# KiCad board rosco_m68k.kicad_pcb (continued)
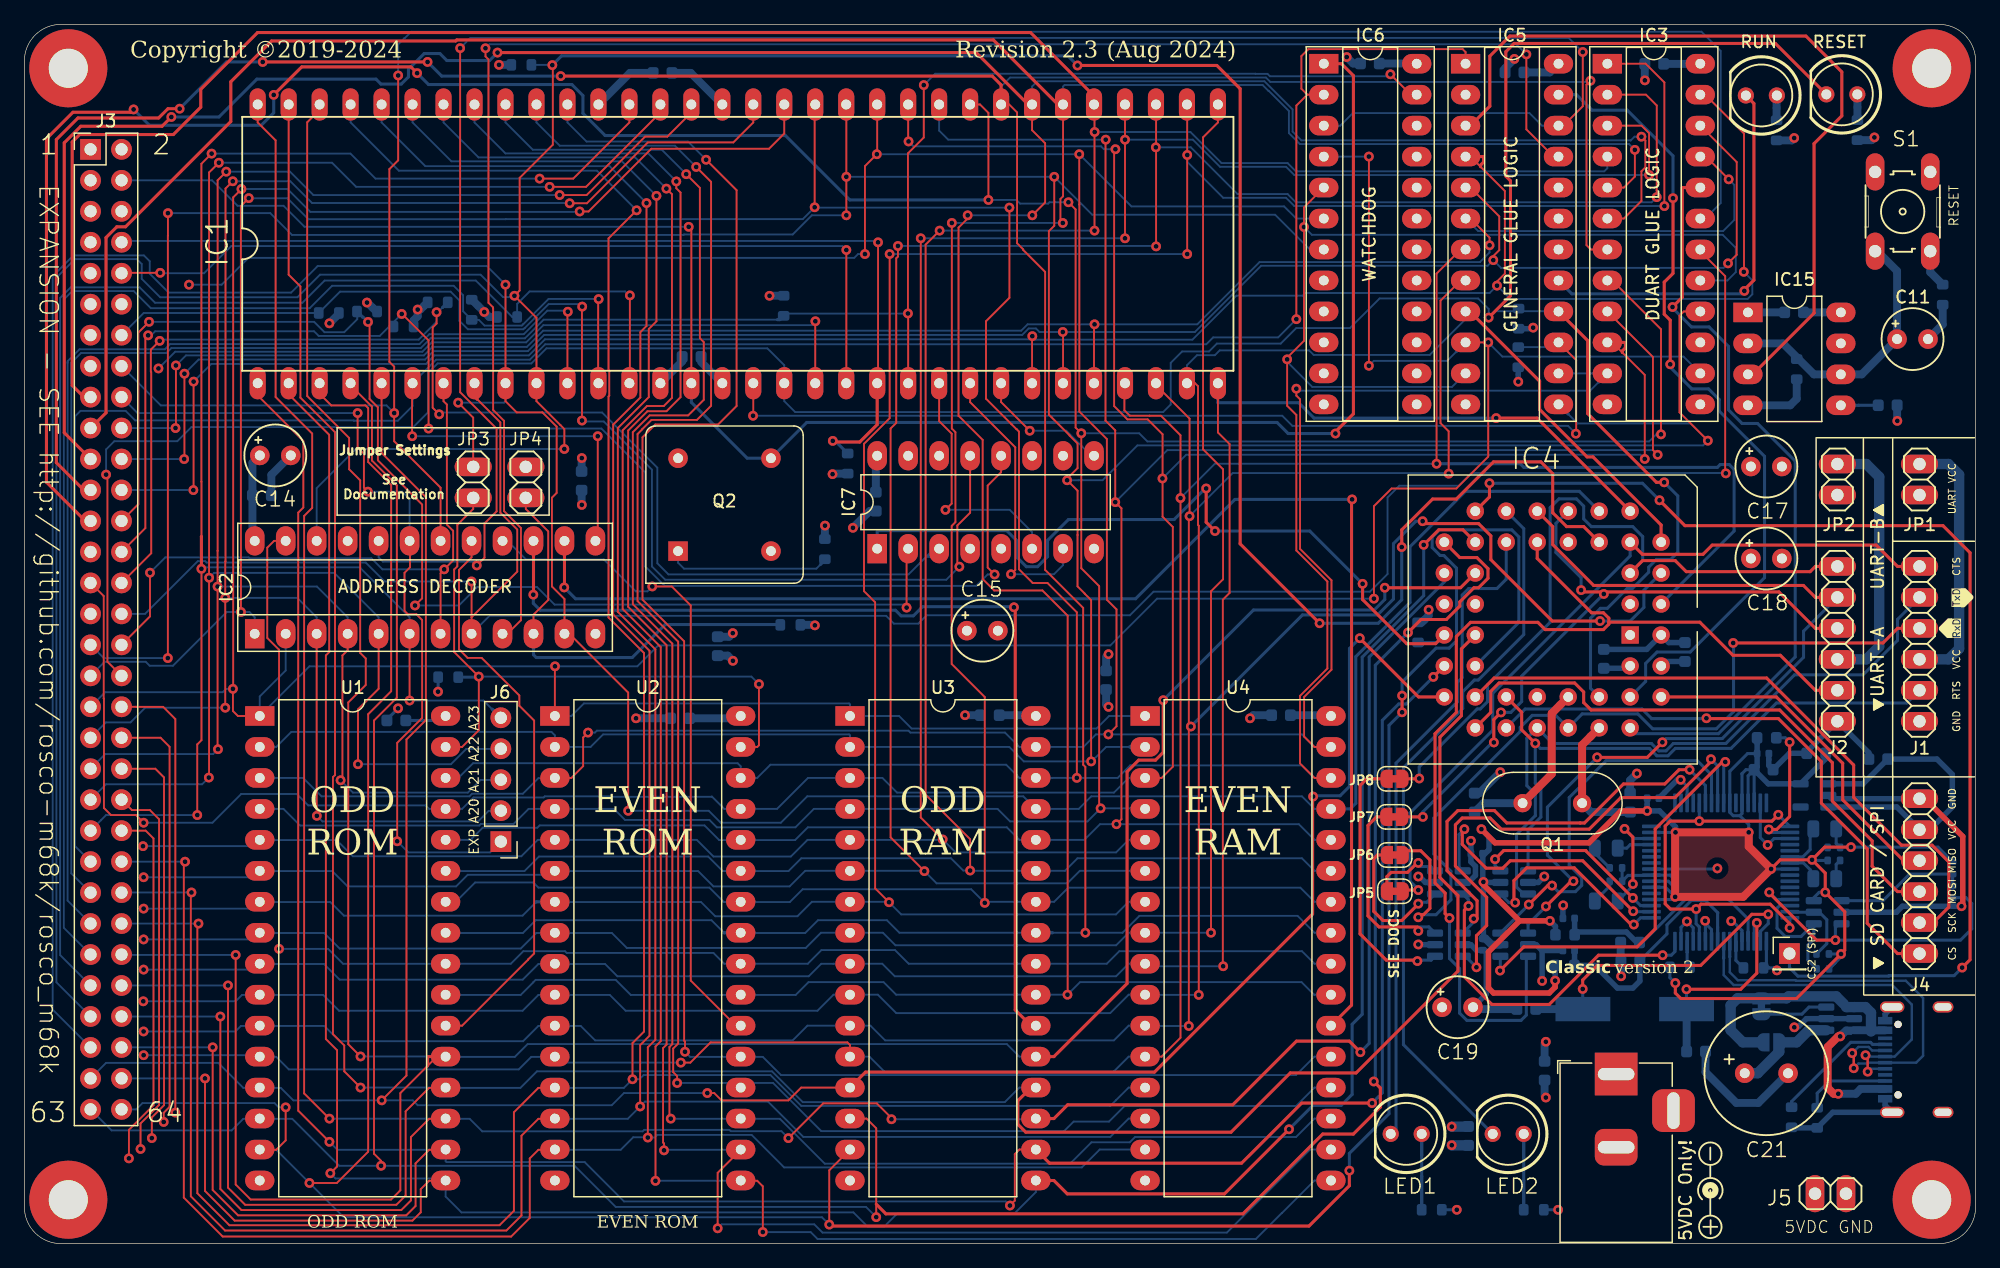
[diagram p0: board, top side]
## Routing (per net, layer and track width the routed paths; a pad name or vN(x,y) marks a point on that pad's centre or on a via; arc(x,y) is an arc through that point) (continued)
FC0: length 157.7
  Top w0.152: v1(120.14,81.88) 120.14,82.51 118.58,84.08 ; v1(12.39,66.89) 12.42,66.92 v1(12.42,72.02) ; 137.89,89.16 v1(139.75,87.29) ; IC1.28 87.71,75.36 v1(87.75,75.4)
  Bottom w0.152: 7.96,66.89 12.39,66.89 v1(12.39,66.89) ; v1(120.14,81.88) 120.14,81.29 119.36,80.51 119.36,80.51 101.28,80.51 96.18,75.4 v1(87.75,75.4) 82.26,75.4 81.74,74.88 42.53,74.88 41.2,73.55 33.46,73.55 32.76,72.85 13.25,72.85 v1(12.42,72.02) ; 118.69,83.56 119.2,83.05 139.3,83.05 140.21,83.96 140.21,86.84 v1(139.75,87.29)
FC1: length 167.4
  Top w0.152: v1(120.45,80.66) 120.45,81 120.94,81.49 120.94,84.25 118.58,86.62 ; v1(139.7,80.4) 140.41,81.11 140.41,88.71 IC3.22 ; v1(85.15,74.77) 85.17,74.75 IC1.27 ; v1(13.12,71.35) 13.12,64.38 v1(13.1,64.35)
  Bottom w0.152: v1(13.12,71.35) 14.28,72.51 32.85,72.51 33.54,73.2 41.29,73.2 42.62,74.53 81.82,74.53 82.35,75.06 82.95,75.06 83.24,74.77 v1(85.15,74.77) 95.98,74.77 101.41,80.2 119.99,80.2 v1(120.45,80.66) 121.08,80.03 139.33,80.03 v1(139.7,80.4) ; 7.96,64.35 v1(13.1,64.35)
FC2: length 183
  Top w0.152: v1(13.88,70.7) 13.88,61.82 v1(13.85,61.8) ; 118.58,89.16 119.41,88.32 121.4,86.33 121.4,79.55 120.75,78.91 v1(120.75,78.57) ; v1(140.99,79.7) 141.01,79.72 141.01,91.05 137.82,94.24 ; v1(82.65,74.43) 82.63,74.41 IC1.26
  Top w0.25: IC5.4 119.66,89.16 119.66,88.71 119.41,88.46 119.41,88.32
  Bottom w0.152: 7.96,61.81 13.85,61.81 v1(13.85,61.8) ; v1(13.88,70.7) 15.32,72.15 32.93,72.15 33.63,72.85 41.37,72.85 42.69,74.17 82.39,74.17 v1(82.65,74.43) 82.94,74.14 95.78,74.14 99.39,77.75 104.83,77.75 105.05,77.97 120.15,77.97 v1(120.75,78.57) 121.84,77.48 141.31,77.48 141.69,77.87 141.69,79 v1(140.99,79.7)
HALT: length 81.8
  Top w0.152: IC1.17 59.77,67.92 v1(59.75,67.9) ; v1(127.22,66.43) 127.25,66.45 127.25,72.46 IC5.15
  Bottom w0.152: v1(59.75,67.9) 103.14,67.9 103.97,67.07 126.58,67.07 v1(127.22,66.43) ; R31.1 125.41,73.53
HWRST: length 64.9
  Top w0.25: 118.58,91.7 120.16,93.28 120.16,97.39 121.81,99.04 146.09,99.04 149.03,96.1 149.03,92.5 146.75,90.22 146.75,76.32 141.73,71.3
IOSEL: length 190.5
  Top w0.152: v1(30.65,95.81) 30.65,88.85 29.93,88.13 29.93,72.32 30.32,71.93 v1(30.32,68.12) 30.32,65.81 34.13,62 IC2.18
  Bottom w0.152: v1(30.32,68.12) 29.69,68.75 11.18,68.75 7.96,71.97 ; v1(30.65,95.81) 30.65,98.36 31.14,98.85 31.17,98.85 31.72,99.4 137.52,99.4 139.1,97.82 139.1,85.35 137.82,84.08
IPL0: length 10.8
  Top w0.152: v1(82.44,66.67) 80.09,69.02 IC1.25
  Bottom w0.152: v1(82.44,66.67) 85.44,66.67 87.49,64.62
IPL1: length 23.3
  Top w0.152: v1(80.9,54.9) 81.25,55.25 81.25,65.31 77.55,69.01 IC1.24
  Bottom w0.152: v1(80.9,54.9) 84.42,54.9 85.17,55.65 IC7.7
IPL2: length 20.2
  Top w0.152: IC1.23 75.01,67.46 76.04,66.43 76.04,60.7 v1(75.53,60.18)
  Bottom w0.152: v1(75.53,60.18) 80.8,60.18 82.63,58.35 IC7.6
IRQ2: length 117.9
  Top w0.152: IC7.12 80.09,63.27 78.99,62.17 78.99,55.45 v1(79.56,54.88) ; v1(10.14,74.5) 9.92,74.27 9.92,58.68 7.96,56.73 ; v1(33.14,66.85) 33.14,74.08 30.98,76.25 v1(30.94,76.25)
  Bottom w0.152: v1(33.14,66.85) 47.32,66.85 50.91,63.26 50.91,55.54 52.5,53.95 78.06,53.95 78.99,54.88 v1(79.56,54.88) ; v1(30.94,76.25) 29.14,74.45 24.13,74.45 23.75,74.83 10.72,74.83 10.39,74.5 v1(10.14,74.5)
IRQ3: length 102.9
  Top w0.152: v1(45.74,76.85) 45.72,76.83 v1(45.72,67.51) ; IC7.13 77.55,59.95 76.5,58.9 76.5,55.69 v1(76.67,55.52)
  Bottom w0.152: v1(45.72,67.51) 45.8,67.43 47.51,67.43 51.46,63.48 51.46,55.54 52.55,54.45 75.59,54.45 v1(76.67,55.52) ; v1(45.74,76.85) 45.53,77.06 42.99,77.06 41.83,75.9 41.83,75.9 41.03,75.1 41.02,75.1 40.91,74.99 36.37,74.99 35.67,75.69 35.67,77.36 34.95,78.08 25.88,78.08 R18.2 9.78,76.33 7.96,74.51
IRQ5: length 108.9
  Top w0.152: v1(32.03,52.34) 32.62,52.93 32.62,60.61 28.99,64.24 28.99,68.6 28.3,69.28 28.3,75.47 v1(28.18,75.6) ; 72.34,56.87 v1(72.34,52.16) ; v1(10.22,75.6) 9.34,74.72 9.34,60.65 7.96,59.27
  Bottom w0.152: v1(32.03,52.34) 35.63,52.34 37.14,53.85 42.03,53.85 43.48,52.41 72.09,52.41 v1(72.34,52.16) ; 27.4,76.37 v1(28.18,75.6) ; v1(10.22,75.6) 23.76,75.6 24.61,74.75 26.23,74.75 27.29,75.82 27.29,76.1
  Bottom w0.25: 27.29,76.1 27.27,76.12 ; R17.2 27.74,75.98 27.79,75.98
IRQ6: length 107.9
  Top w0.152: 7.96,54.19 10.4,56.62 10.4,71.49 10.37,71.52 10.37,73.32 v1(11.09,74.04) ; v1(33.8,76.39) 33.8,75.46 33.48,75.14 33.48,68.55 v1(34.01,68.02)
  Bottom w0.152: v1(34.01,68.02) 34.16,68.16 47.38,68.16 51.9,63.64 51.9,55.8 52.81,54.89 72.5,54.89 74.61,57 ; v1(11.09,74.04) 11.19,74.14 32.33,74.14 33.8,75.61 v1(33.8,76.39) 33.9,76.39 34.3,76.8 34.7,77.2
  Bottom w0.25: 34.3,76.8 34.31,76.8 R12.2 ; 73.98,56.37 74.38,56.37
LDS: length 189.3
  Top w0.152: 36.91,69.47 37.11,69.27 39.03,67.36 39.03,59.95 40.41,58.57 40.41,55.12 36.67,51.37 ; 36.67,51.37 v1(36.67,54.31) ; 36.67,51.37 IC2.8 ; 137.42,81.39 139.47,79.35 139.47,63.23 v1(139.52,63.18)
  Top w0.25: 37.11,70.37 37.11,69.27
  Bottom w0.152: IC2.8 38.14,51.49 70.66,51.49 71.3,50.85 73.3,50.85 73.99,51.54 90.66,51.54 92.59,53.47 110.33,53.47 111.78,54.92 111.78,61.2 112.75,62.16 117.62,62.16 118.66,63.2 139.49,63.2 v1(139.52,63.18) ; v1(36.67,54.31) 29.54,54.31 27.99,55.86 14.94,55.86 14.82,55.98 14.22,55.98 9.89,51.65 7.96,51.65
LGEXP: length 35.5
  Top w0.152: IC2.10 41.75,51.58 42.95,52.79 42.95,58.42 41.12,60.25 JP4.1
  Bottom w0.25: 61.92,50.78 52.55,50.78 49.84,48.07 41.97,48.07 41.75,48.29 IC2.10
ODDRAMSEL: length 80.6
  Top w0.25: IC2.15 41.75,53.24 v1(41.73,53.23) ; 81.25,38.69 81.25,52.09 v1(81.14,52.19) ; U3.22 82.54,17.88 81.25,19.17 81.25,38.68
  Bottom w0.152: 81.1,52.24 v1(81.14,52.19)
  Bottom w0.25: 81.1,52.24 73.65,52.24 72.9,51.49 71.89,51.49 71.43,51.95 42.3,51.95 41.73,52.52 v1(41.73,53.23)
ODDROMSEL: length 47.2
  Top w0.152: U1.22 35.89,17.88 41.3,23.28 41.3,23.3 41.8,23.8 41.8,42.9 40.58,44.12 40.58,44.96 39.06,46.48 39.05,46.48 37.49,48.04 36.34,48.04 35.64,48.74 35.64,55.26 36.67,56.29 IC2.17
RESET: length 246.1
  Top w0.152: 7.96,46.57 6.81,47.73 6.81,62.97 v1(6.7,63.07)
  Top w0.25: v1(134.46,62.44) 133.83,62.44 128.19,68.08 128.19,74.07 IC5.16 ; LED4.K 143.58,98.44 122.16,98.44 121.48,97.76 121.48,87.55 121.86,87.17 121.86,77.74 v1(120.07,75.95)
  Bottom w0.152: 125.78,76.47 120.59,76.47 v1(120.07,75.95) 120.07,76.66 119.21,77.52 111.12,77.52 108.69,75.09 104.29,75.09 103.02,73.82 97.78,73.82 97.14,73.17 94.93,73.17 94,72.24 94,68.82 93.38,68.2 63.2,68.2 62.31,69.1 IC1.18 62.31,72.04 60.92,73.43 55.91,73.43 55.91,73.43 42.81,73.43 41.57,72.19 33.88,72.19 33.1,71.41 33.1,68.18 31.89,66.97 13.7,66.97 12.54,65.81 7.37,65.81 6.7,65.14 v1(6.7,63.07)
  Bottom w0.25: IC4.38 128.42,45.55 128.42,51.29 129.23,52.1 129.8,52.1 131.42,53.73 131.85,53.73 133.19,55.07 133.19,55.48 133.83,56.12 135,56.12 135.58,56.7 135.58,61.32 v1(134.46,62.44)
ROM_RW: length 55.3
  Top w0.152: JP3.2 36.8,60.25 35.5,58.95 35.5,55.55 35.24,55.29 35.24,48.53 v1(37.26,46.51) 37.26,42.1 35.89,40.74 U1.31 ; U2.31 60.09,40.74 60.23,40.88 v1(60.23,45.89)
  Bottom w0.152: v1(60.23,45.89) 59.61,46.51 v1(37.26,46.51)
  Bottom w0.25: R11.2 37.21,46.46 v1(37.26,46.51)
RTSA: length 50
  Top w0.25: IC4.32 122.78,43.57 122.78,42.14 v1(123.89,41.03)
  Bottom w0.25: IC9.1 123.3,33.93 124.35,34.99 124.35,37.29 123.89,37.75 v1(123.89,41.03) 124.31,40.62 133.25,40.62 133.86,40.01 134.78,40.01 135.38,40.62 139.94,40.62 143.67,44.34 154.36,44.34 J1.2
RTSB: length 86.9
  Top w0.25: J2.2 146.86,45.38 143.99,48.25 140.1,48.25 137.38,50.97 129.92,50.97 ; v1(116.86,26.7) 116.5,27.06 116.5,28.75 115.67,29.58 115.67,41.82 117.42,43.57 117.42,49.8 118.58,50.96 124.11,50.96 124.7,50.36 129.48,50.36 129.92,50.81 129.92,50.97 ; 129.92,50.97 129.92,51.29 129.48,51.74 128.51,51.74 124.05,56.2 124.05,57.19
  Bottom w0.25: v1(116.86,26.7) 116.86,23.39 117.69,22.56 117.69,18.91 118.28,18.31 122.72,18.31 123.16,18.74 123.16,23.43
RUNLED: length 31.6
  Top w0.25: LED3.K 141.82,93.51 141.82,79.02 141.04,78.24 v1(141.04,78.14)
  Bottom w0.25: v1(141.04,78.14) 140.8,77.9 126.89,77.9 126.34,78.45
RW: length 267.9
  Top w0.152: v1(39.45,78.65) IC1.9 39.45,69.1 40.37,68.18 42.48,68.18 43.64,67.01 43.64,61.57 43.26,61.18 43.26,53.9 44.29,52.87 44.29,50.47 ; v1(35.57,68.97) 36.8,67.74 JP3.1 ; v1(49.51,35.5) 49.51,45.2 44.69,50.02
  Bottom w0.152: J3.59 2.32,19.19 2.32,79.35 4.02,81.05 9.8,81.05 10.28,80.57 10.28,79.55 11.83,78 21.87,78 24.05,80.18 37.92,80.18 v1(39.45,78.65) ; v1(35.57,68.97) 39.33,68.97 39.45,69.1 IC1.9 ; U4.29 105.79,35.66 104.76,36.68 87.48,36.68 86.46,35.66 U3.29 ; 82.43,36.17 81.91,36.68 64.19,36.68 62.03,34.52 57.1,34.52 56.12,35.5 v1(49.51,35.5)
  Bottom w0.25: U4.29 108.72,35.66 109.17,36.11 109.17,48.14 113.62,52.59 113.62,57.16 118.16,61.7 119.85,61.7 119.86,61.69 120.42,61.69 120.43,61.7 127.51,61.7 IC4.9
RXDA: length 70.2
  Top w0.25: 114.2,26.97 114.72,26.97 115.25,27.5 115.25,31.47 114.5,32.22 113.38,32.22 JP6.2 ; J1.4 153.6,50.46 152.4,49.26 v1(140.12,49.26)
  Bottom w0.25: v1(140.12,49.26) 140.15,49.24 140.15,43.63 138.74,42.23 133.52,42.23 132.3,43.45 127.74,43.45 IC4.35 125.56,43.33 123.64,43.33 122.66,42.34 122.66,42 115.56,34.91 115.56,31.95 116.97,30.54 116.97,28.2 115.75,26.97 114.2,26.97
  vias: v1(114.3,26.77)
RXDB: length 56.9
  Top w0.25: v1(127.65,53.6) 127.8,53.45 129.51,53.45 ; 129.51,53.45 143.87,53.45 146.86,50.46 J2.4 ; 129.51,53.45 v1(129.51,53.28) ; v1(114.68,35) JP7.2 ; v1(121.08,43.57) 120.49,42.98 v1(120.49,41.1)
  Bottom w0.25: v1(114.68,35) 114.68,35.42 120.36,41.1 v1(120.49,41.1) ; IC4.11 125.59,59.08 125.59,56.68 127.65,54.62 v1(127.65,53.6) ; v1(121.08,43.57) 121.89,43.57 122.78,44.46 122.78,46.55 v1(129.51,53.28)
SPICLK: length 53.9
  Top w0.25: J4.2 156.53,26.33 157.8,27.6 157.8,31.31 156.43,32.68 153.92,32.68 150,36.6 150,39.25 142.86,46.39 120.52,46.39 IC4.30
SPICS: length 48.4
  Top w0.25: J4.1 153.6,23.79 151.11,26.28 151.11,32.37 147.35,36.13 147.35,39.54 143.83,43.06 137.96,43.06 v1(137.93,43.09)
  Bottom w0.25: IC4.31 123.06,43.85 132.64,43.85 133.43,43.06 137.9,43.06 v1(137.93,43.09)
SPICS2: length 94.7
  Top w0.25: IC4.17 120.14,61.24 v1(120.14,62.36) ; v1(134.08,60.97) 136.16,58.88 157.32,58.88 159.54,56.66 159.54,23.29 v1(158.9,22.64)
  Bottom w0.25: v1(158.9,22.64) 158.24,21.98 152.9,21.98 152.86,21.94 145.42,21.94 144.74,22.63 J7.1 ; v1(134.08,60.97) 132.68,62.36 v1(120.14,62.36)
SPIMISO: length 28.5
  Top w0.25: J4.4 154.09,31.41 149.1,36.4 149.1,39.4 143.66,44.84 IC4.40
SPIMOSI: length 49.6
  Top w0.25: IC4.29 120.24,43.57 120.24,45.3 120.92,45.98 127.12,45.98 127.86,45.24 127.86,44.38 128.47,43.77 143.93,43.77 148.25,39.45 148.25,36.3 151.52,33.03 151.52,30.95 153.6,28.87 J4.3
TXDA: length 53.5
  Bottom w0.25: 122.93,28.67 122.36,29.25 122.36,33.56 123.9,35.1 123.9,36.86 123.2,37.56 123.2,41.45 IC4.33 125.33,41.02 133.42,41.02 134.02,40.41 134.61,40.41 135.21,41.02 139.52,41.02 145.15,46.65 150.77,46.65 153.6,49.48 153.6,51.2 J1.5
TXDB: length 73.4
  Top w0.25: J2.5 146.86,53 145.88,53.98 128.68,53.98 125.32,57.34 125.32,58.81 IC4.13 ; v1(134.32,41.12) 133.08,39.88 v1(128.97,39.88) ; v1(124.77,27.66) 126.84,29.73 v1(127.02,29.73)
  Bottom w0.25: IC11.1 123.3,26.19 v1(124.77,27.66) ; v1(127.02,29.73) 124.89,31.86 124.89,35.8 v1(128.97,39.88) ; v1(134.32,41.12) 134.62,41.42 139.22,41.42 145.89,48.09 145.89,50.23 J2.5
UDS: length 53.2
  Top w0.152: IC1.7 34.37,69.1 34.64,68.82 34.64,58.98 35.16,58.47 35.16,56.04 v1(34.42,55.3) 34.42,55.28 34.13,54.99 IC2.7 ; 7.96,49.11 10.3,51.44 v1(10.3,55.03)
  Bottom w0.152: v1(10.3,55.03) 11.55,56.28 18.39,56.28 18.46,56.21 28.45,56.21 29.36,55.3 v1(34.42,55.3)
USB_DN: length 35.7
  Top w0.2: v1(150.01,14.38) 150.01,15.5 v1(149.88,15.63)
  Bottom w0.2: v1(149.88,15.63) 150.38,16.13 151.23,16.13 151.52,15.84 J10.B7 ; v1(150.01,14.38) 150.39,14.77 151.13,14.77 151.2,14.84 J10.A7 155.12,14.84 155.69,15.41 155.69,20.14 154.27,21.56 145.27,21.56 145.23,21.6 140.5,21.6 139.84,22.26 IC12.7
  Bottom w0.25: IC12.7 139.84,23.53 139.84,23.53
USB_DP: length 30.8
  Top w0.2: v1(151.15,14.1) 151.15,15.27 v1(150.97,15.45)
  Bottom w0.2: v1(150.97,15.45) 151.08,15.34 J10.A6 153.36,15.34 154.77,16.75 154.77,19.61 153.17,21.21 140.16,21.21 139.34,22.02 IC12.8 ; J10.B6 151.38,14.34 v1(151.15,14.1)
  Bottom w0.25: 139.34,23.41 IC12.8
VMA: length 69.3
  Top w0.152: IC1.19 64.85,75.64 v1(64.86,75.65)
  Route15 w0.152: 7.96,77.05 6.89,75.97 6.89,73.58 7.22,73.24 9.53,73.24 v1(10.99,71.78)
  Bottom w0.152: v1(64.86,75.65) 64.54,75.33 42.55,75.33 41.14,73.92 33.4,73.92 32.64,73.15 12.37,73.15 v1(10.99,71.78)
VPA: length 82.8
  Top w0.152: v1(70,82.12) 70,70.64
  Top w0.25: v1(66.29,65.84) 66.38,65.75 68.5,65.75 69.93,67.18 IC1.21
  Bottom w0.152: v1(70,82.12) 69.88,82.24 8.07,82.24
  Bottom w0.25: v1(66.29,65.84) 66.47,65.84 R19.2
WR: length 124.4
  Top w0.152: v1(20.88,24.17) 20.88,48.71 19.92,49.68 19.92,57.08 20.47,57.64 IC2.23
  Bottom w0.152: U1.24 39.89,22.96 40.92,23.98 44.33,23.98 44.47,23.84 56.5,23.84 57.39,22.96 U2.24 64.24,22.96 65.36,24.08 71.39,24.08 72.51,22.96 U3.24 88.76,22.96 89.78,23.98 104.76,23.98 105.79,22.96 U4.24 ; v1(20.88,24.17) 24.91,24.17 26.13,22.95 34.53,22.95
Net-(IC4-OP3): length 59
  Bottom w0.25: LED2.K 113.08,16.32 113.08,39.03 117.94,43.89 117.94,45.27 118.9,46.22 119.22,46.22 122.95,49.95 122.95,58.64 IC4.15
Net-(IC4-OP5): length 53.8
  Bottom w0.25: LED1.K 112.47,9.44 112.47,39.41 117.5,44.43 117.5,46.02 117.9,46.42 117.9,53.2 118.43,53.73 120.75,53.73 121.51,54.49 IC4.16
Net-(IC4-X1/CLK): length 15.5
  Top w0.25: 125.92,44.16 IC4.36
  Top w0.65: 122.85,36.13 125.24,38.52 125.24,43.49 126.59,44.84
  Bottom w0.65: Q1.1 119.65,36.13 C1.2
Net-(IC4-X2): length 14.1
  Top w0.25: 127.73,38.28 127.73,38.28 Q1.2 ; 128.43,41.6 IC4.37
  Top w0.65: 129.13,42.3 127.73,40.9 127.73,36.13
  Bottom w0.65: Q1.2 128.46,35.4 C2.2
Net-(IC8-Y1): length 5.9
  Top w0.25: 114.2,31.22 113.42,30.45 112.07,30.45 111.72,30.1 JP5.1
  Bottom w0.25: 114.2,31.22 114.5,30.92 115.32,30.92 IC8.6
  vias: v1(114.3,31.22)
Net-(IC8-Y2): length 11.9
  Top w0.25: 114.17,28 114.17,27.72 112.95,26.5 111.4,26.5 110.65,27.25 110.65,31.57 110.95,31.88 JP6.1
  Bottom w0.25: 114.17,28 115,28 IC8.4
  vias: v1(114.3,27.88)
Net-(IC10-Y1): length 15.3
  Top w0.25: JP7.1 110.88,35 110.17,34.3 110.17,26.88 111.07,25.97 114.23,25.97
  Bottom w0.25: IC10.6 115.16,25.97 114.23,25.97
  vias: v1(114.3,25.65)
Net-(IC10-Y2): length 21.7
  Top w0.25: 114.22,23.25 111.67,23.25 109.53,25.4 109.53,37.57 110.07,38.12 JP8.1
  Bottom w0.25: 114.22,23.25 115.35,23.25 IC10.4
  vias: v1(114.22,23.17)
Net-(IC12-ACBUS3): length 2.9
  Bottom w0.25: IC12.29 131.68,32.72 131.39,32.44 LED5.1
Net-(IC12-ACBUS4): length 9.3
  Top w0.25: v1(131.21,34.02) 131.9,33.33 v1(131.9,29.5)
  Bottom w0.25: v1(131.9,29.5) 131.9,29.34 LED6.1 ; v1(131.21,34.02) 132.01,33.22 IC12.30
Net-(IC12-BCBUS3): length 4.1
  Bottom w0.25: 146.43,33.4 146.43,32.32 145.83,31.72 IC12.54 ; 146.43,33.4 146.43,33.99 ; 146.43,33.4 146.43,33.92
Net-(IC12-BCBUS4): length 2.2
  Bottom w0.25: IC12.55 145.88,31.22 146.44,30.66 146.44,30.33
Net-(IC12-OSCI): length 24.9
  Top w0.25: v1(127.78,20.89) 127.78,21.62 128.98,22.82 137.46,22.82 141.65,27.01 v1(143,27.01)
  Bottom w0.25: v1(127.78,20.89) 127.78,20.07 ; 142.34,25.2 142.34,25.6 143,26.25 v1(143,27.01)
  Bottom w0.65: C41.2 Y2.1
Net-(IC12-OSCO): length 16.5
  Top w0.25: v1(136.29,20.86) 140.74,20.86 142.06,22.18 v1(142.06,26.3)
  Bottom w0.25: v1(142.06,26.3) 141.84,26.09 141.84,25.44 ; v1(136.29,20.86) 136.29,19.24
  Bottom w0.65: C42.2 136.3,19.23
Net-(IC12-REF): length 3.2
  Bottom w0.25: 140.34,24.01 IC12.6 140.34,24.01 ; 140.34,24.01 140.34,23.23 R30.2
Net-(IC12-VREGIN): length 11.3
  Top w0.25: v1(144.75,41.13) 144.75,35.03 143.69,33.97 v1(143.05,33.97)
  Bottom w0.25: FB1.1 144.39,41.49 v1(144.75,41.13) ; 144.77,33.72 143.29,33.72 v1(143.05,33.97)
Net-(IC12-~{RESET}): length 2.7
  Bottom w0.25: 136.34,23.9 IC12.14 136.34,23.9 136.34,23.9 ; 136.34,23.9 136.34,23
Net-(IC13-ON): length 5.6
  Bottom w0.25: IC13.3 146.34,19.4 145.75,18.82 144.5,18.82 144.49,18.81 SJ1.2
Net-(IC13-VIN-Pad4): length 33.3
  Top w0.65: v1(148.74,12.29) 148.36,12.29 147.87,12.78 147.87,16.13 148.73,17 v1(148.89,17)
  Bottom w0.25: 149.45,19.4 149.18,19.67 ; 151.42,17.66 151.52,17.66 151.68,17.5 ; 149.15,17.25 149.78,17.25 IC13.6
  Bottom w0.45: 151.68,17.5 151.69,17.49
  Bottom w0.65: IC13.6 151.34,17.5 ; 149.4,17.5 v1(148.89,17) ; J10.A9 150.57,12.69 150.17,12.29 v1(148.74,12.29) ; J10.A4 151.69,17.49
  Bottom w0.85: 149.38,19.4 IC13.4 150.96,19.4 151.42,18.94 151.42,17.41 151.34,17.5 ; 149.18,19.67 148.57,20.28 144.66,20.28 144.5,20.12 140.48,20.12 139.91,19.55 139.91,17.51 140.91,16.51 SJ2.1
Net-(IC15-CV): length 3.1
  Bottom w0.25: C13.2 150.41,68.76 150.4,68.76 IC15.5
Net-(IC15-THR): length 22.4
  Bottom w0.65: IC15.2 144.2,73.84 146.74,71.3 IC15.6 150.66,71.3 C11.+ 153.56,79.77 151.93,81.4
Net-(J10-CC1): length 10.2
  Bottom w0.25: R5.2 144.91,11.65 149.77,16.51 151.38,16.51 151.55,16.34 J10.A5
Net-(J10-CC2): length 7.2
  Bottom w0.25: J10.B5 148.01,13.34 147.01,12.34 R4.1
Net-(LED1-PadA): length 10.7
  Bottom w0.25: 114.58,5.52 R1.1 114.58,5.52 ; 114.58,5.52 114.58,7.26 ; 114.58,7.26 114.58,9 ; 114.58,7.26 LED1.A
Net-(LED2-PadA): length 10.5
  Bottom w0.25: 122.94,7.08 LED2.A 122.94,7.08 ; 122.94,7.08 122.94,5.15 ; 122.94,5.15 R2.1 122.94,5.15
Net-(LED3-PadA): length 3.1
  Bottom w0.25: LED3.A 143.7,93.16 143.68,93.14
  Bottom w0.65: 143.68,94.15 R13.1
Net-(LED4-PadA): length 3.2
  Bottom w0.25: 150.31,93.2 150.3,93.21 LED4.A
  Bottom w0.65: 150.31,94.25 R14.1
Net-(LED5-A): length 1.7
  Bottom w0.25: 128.78,32.03 R6.1
Net-(LED6-A): length 2.1
  Bottom w0.25: LED6.2 129.99,29.32 R20.1
Net-(LED7-A): length 1.6
  Bottom w0.25: R22.1 148.57,32.82 148.57,33.99
Net-(LED8-A): length 1.6
  Bottom w0.25: R23.1 148.57,31.1 148.57,30.01
Net-(Q2-EN): length 14
  Bottom w0.152: 65.6,56.02 64.94,55.36 54.09,55.36 53.6,55.85 Q2.1
  Bottom w0.25: 65.27,55.69 65.64,56.06
Net-(S1-P): length 2.3
  Bottom w0.65: R28.2 156.28,79.67 156.28,80.54
Net-(U8-DO): length 11.7
  Bottom w0.25: 158.11,29.83 158.11,29.83 R26.1 ; 158.11,29.83 158.11,30.31 154.58,30.31 152.41,28.13 148.78,28.13 ; 158.11,29.83 158.11,29.34

## Copper pours and planes (outline as drawn; the poured copper is in the pictures)
+3V3 on Top: 135.38,33.75 141.4,33.77 141.4,32.55 143.2,30.77 140.95,28.42 135.35,28.42
GND on Route2: 160.7,97.95 160.7,1.43 158.16,-1.11 1.95,-1.11 -0.59,1.43 -0.59,97.95 1.95,100.49 158.16,100.49
VCC on Route15: 160.7,97.95 160.7,1.43 158.16,-1.11 1.95,-1.11 -0.59,1.43 -0.59,97.95 1.95,100.49 158.16,100.49

## Text on the board
B.Silkscreen: 1 | RX/A | TX/A | TX/B | RX/B | Certified Open / Source Hardware | revision 2.3-2024 | rosco_m68k classic
F.Silkscreen: UART VCC | CS2 (SPI) | GND | VCC | MISO | MOSI | SCK | CS | CTS | TxD | RxD | RTS | RESET | A23 | A22 | A21 | A20 | EXP | See / Documentation | SEE DOCS | Jumper Settings | 5VDC GND | RUN | ADDRESS DECODER | WATCHDOG | GENERAL GLUE LOGIC | DUART GLUE LOGIC | 5VDC Only! | ▼UART-A    UART-B▲ | ▼ SD CARD / SPI | EXPANSION - SEE http://github.com/rosco-m68k/rosco_m68k | 63 | 1 | 64 | 2 | ODD ROM | EVEN ROM | version 2 | Classic | Revision 2.3 (Aug 2024) | Copyright ©2019-2024 | ODD / ROM | EVEN / ROM | ODD / RAM | EVEN / RAM
